# Altium PCB IRVT-001.PcbDoc (part 3 of 4) (continued)
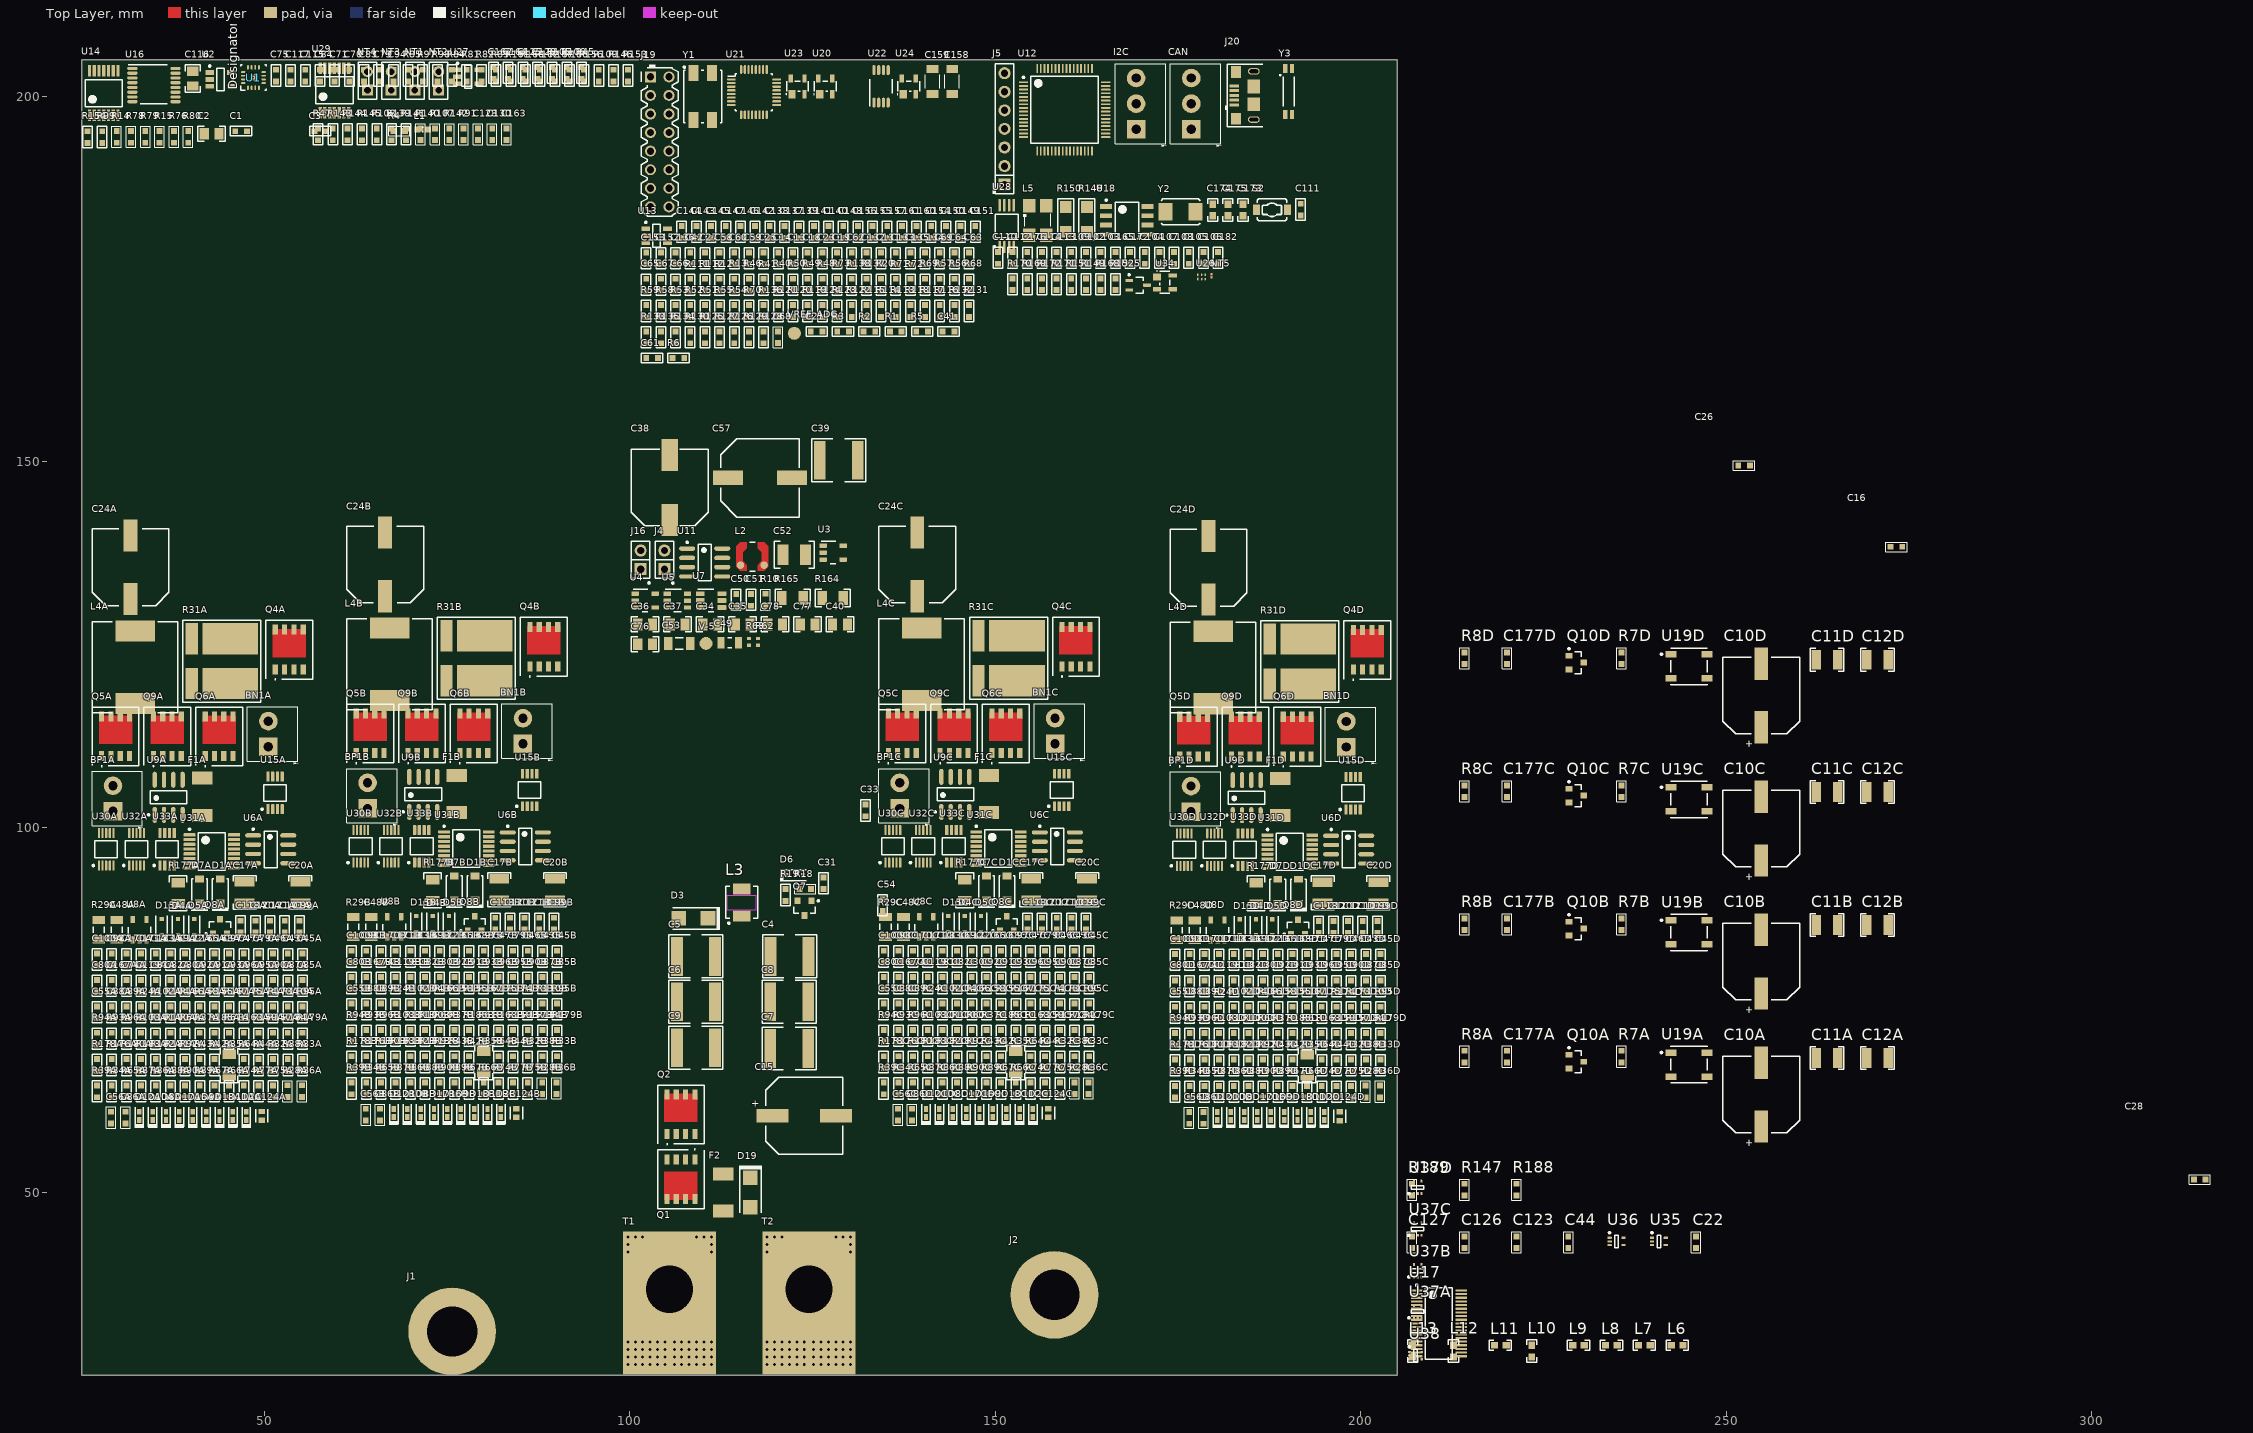
[diagram p0: Top Layer view]
## Part data (continued)
CAN I2C: "Terminal Block, 6A, 3.5mm Pitch, 3-Pos, TH", Manufacturer="On-Shore Technology", ComponentLink1Description="Datasheet Link", ComponentLink1URL=http://on-shore.com/sites/default/files/manuals/ed555ds.pdf, CompType=Connector, LatestRevisionDate=2014-09-28, MountType=TH, PackageReference=14x8.2x6.5mm, PartNumber=ED555/3DS, Publisher="Texas Instruments", RoHS=Y, SymbolCreator=a0412235, SymbolVersion=2013-08-30, U/M=EA
D1A D1B D1C D1D D7A D7B D7C D7D: "Diode, Schottky, 40 V, 1 A, SOD-123FL", Manufacturer="ON Semiconductor", Supplier Part Number 1=MBR140SFT1GOSCT-ND, Value1=1A, Value2=0.55V, AEC Category=Q101, AEC Qualified=?, ComponentLink1Description="Datasheet link", ComponentLink1URL=http://www.onsemi.com/pub_link/Collateral/MBR140SFT1-D.PDF, CompType=Diode, Io_A=1, LatestRevisionDate=2016-12-16, MountType=SMT, PackageReference=SOD-123FL, PartNumber=MBR140SFT1G, Published=2008-06-26, Publisher="Texas Instruments", RJC_CperW=26, RoHS=Y, SizeArea_mm2=5.94, SizeAreaWB_mm2=12.19, SizeX_mm=3.6, SizeY_mm=1.65, SizeZ_mm=0.98, Supplier 1=Digi-Key, Supplier 2=Mouser, Supplier 3=Farnell, Supplier Part Number 2=863-MBR140SFT1G, Supplier Part Number 3=1431046, SymbolVersion=2008-12-08, TJmax_C=125, Type=Schottky, U/M=EA, Vf_V=0.55, Vr_V=40
D2A D2B D2C D2D D8A D8B D8C D8D D9A D9B D9C D9D D10A D10B D10C D10D D11A D11B D11C D11D D12A D12B D12C D12D D16A D16B D16C D16D D17A D17B D17C D17D D18A D18B D18C D18D D21 D23 D24: "Diode, Schottky, 40V, 0.25A, SOD-523", Manufacturer="ON Semiconductor", Supplier Part Number 1=NSR0240V2T1GOSCT-ND, Value1=0.25A, Value2=0.7V, ComponentLink1Description="Datasheet link", ComponentLink1URL=http://www.onsemi.com/pub_link/Collateral/NSR0240V2T1-D.PDF, CompType=Diode, Io_A=0.25, LatestRevisionDate=2014-07-21, MountType=SMT, PackageReference=SOD-523, PartNumber=NSR0240V2T1G, Published=2008-06-26, Publisher="Texas Instruments", RJC_CperW=600, RoHS=Y, Supplier 1=Digi-Key, Supplier 2=Mouser, Supplier 3=Newark, Supplier Part Number 2=863-NSR0240V2T1G, Supplier Part Number 3=46P8323, SymbolVersion=2008-12-08, TJmax_C=150, Type=Schottky, U/M=EA, Vf_V=0.7, Vr_V=40
D3 D19: "Diode, TVS, Uni, 18 V, 29.2 Vc, SMA", Manufacturer=Littelfuse, Power_W=3.3, Supplier Part Number 1=SMAJ18ALFCT-ND, Value1=3.3W, AEC Category=Q101, AEC Qualified=N, ComponentLink1Description="Datasheet link", ComponentLink1URL=http://www.littelfuse.com/~/media/electronics/datasheets/tvs_diodes/littelfuse_tvs_diode_smaj_datasheet.pdf.pdf, CompType=TVS, LatestRevisionDate=2016-12-21, LatestRevisionNote="Updated Supplier Data", MountType=SMT, PackageReference=SMA, PartNumber=SMAJ18A, Published=2008-10-08, Publisher="Texas Instruments", RJA_CperW=120, RoHS=Y, SizeArea_mm2=16.3228, SizeAreaWB_mm2=37.3428, SizeX_mm=5.59, SizeY_mm=2.92, SizeZ_mm=2.87, Supplier 1=Digi-Key, Supplier 2=Mouser, Supplier 3=Farnell, Supplier Part Number 2=576-SMAJ18A, Supplier Part Number 3=1787557, SymbolVersion=2012-01-13, U/M=EA, Vr_V=18, Vz_V=N/A
D4A D4B D4C D4D D5A D5B D5C D5D D20 D22: "Diode, Zener, 15 V, 200 mW, SOD-323", Manufacturer="Diodes Inc.", Power_W=0.2, Supplier Part Number 1=MMSZ5245BS-FDICT-ND, Value1=0.2W, AEC Category=Q101, AEC Qualified=?, ComponentLink1Description="Datasheet link", ComponentLink1URL=http://www.diodes.com/datasheets/ds31038.pdf, CompType=Zener, LatestRevisionDate=2017-03-18, LatestRevisionNote="Updated Supplier Data", MountType=SMT, PackageReference=SOD-323, PartNumber=MMSZ5245BS-7-F, Published=2008-10-08, Publisher="Texas Instruments", RJA_CperW=350, RoHS=Y, SizeArea_mm2=3.645, SizeAreaWB_mm2=8.695, SizeX_mm=2.7, SizeY_mm=1.35, SizeZ_mm=1, Supplier 1=Digi-Key, Supplier 2=Mouser, Supplier Part Number 2=621-MMSZ5245BS-F, SymbolCreator=a0412235, SymbolVersion=2010-08-25, U/M=EA, Vr_V=N/A, Vz_V=15
D6: "Diode, Zener, 13V, 200mW, SOD-323", Manufacturer="Diodes Inc.", Power_W=0.2, Value1=0.2W, ComponentLink1Description="Datasheet link", ComponentLink1URL=http://www.diodes.com/datasheets/ds31038.pdf, CompType=Zener, LatestRevisionDate=2013-07-05, LatestRevisionNote="Updated Supplier Data", MountType=SMT, PackageReference=SOD-323, PartNumber=MMSZ5243BS-7-F, Published=2008-10-08, Publisher="Texas Instruments", RJA_CperW=350, RoHS=Y, SymbolVersion=2010-08-25, U/M=EA, Vr_V=N/A, Vz_V=13
D15A D15B D15C D15D: library part MMSZ5233BS-7-F, "Diode, Zener, 6 V, 200 mW, SOD-323", Manufacturer="Diodes Inc.", Power_W=0.2, Supplier Part Number 1=MMSZ5233BS-FDICT-ND, Value1=0.2W, AEC Category=Q101, AEC Qualified=?, ComponentLink1Description="Datasheet link", ComponentLink1URL=http://www.diodes.com/datasheets/ds31038.pdf, CompType=Zener, LatestRevisionDate=2017-03-18, LatestRevisionNote="Updated Supplier Data", MountType=SMT, PackageReference=SOD-323, PartNumber=MMSZ5233BS-7-F, Published=2008-10-08, Publisher="Texas Instruments", RJA_CperW=350, RoHS=Y, SizeArea_mm2=3.645, SizeAreaWB_mm2=8.695, SizeX_mm=2.7, SizeY_mm=1.35, SizeZ_mm=1, Supplier 1=Digi-Key, Supplier 2=Mouser, Supplier Part Number 2=621-MMSZ5233BS-7-F, SymbolCreator=a0412235, SymbolVersion=2010-08-25, U/M=EA, Vr_V=N/A, Vz_V=6
F1A F1B F1C F1D F2: library part FUSE_CCF1N_SERIES, "Fuse, Fast Acting, 50VDC, 20A", Manufacturer=Koanet, Area=46035, ComponentHeight="0.098 inch", ComponentLink1Description="AEO Datasheet Link", ComponentLink1URL=\\vette02\pmp_pcb\pcad_pdf's\ccf_fuse.pdf, PackageReference="0.98 x 0.236 inch", SymbolVersion="07/31/2009 12:17:29"
  F1A F1B F1C F1D: PartNumber=CCF1N15
  F2: PartNumber=CCF1N5
J1 J2: "Standard Banana Jack, Uninsulated, 15A", Manufacturer="Emerson Network Power", Supplier Part Number 1=J147-ND, ComponentLink1Description="Datasheet Link", ComponentLink1URL=http://emersonnetworkpower.com/webapp/wcs/stores/servlet/ESC/resources/1080740001.pdf, CompType=Connector, LatestRevisionDate=2014-11-22, MountType=TH, PackageReference="Banana Jack", PartNumber=108-0740-001, Publisher="Texas Instruments", RoHS=Y, Supplier 1=Digi-Key, Supplier 2=Mouser, Supplier Part Number 2=530-108-0740-1, SymbolCreator=a0412235, SymbolVersion=2009-09-23, U/M=EA
J4 J16: "Header, 100mil, 2x1, Gold, TH", Manufacturer=Samtec, Supplier Part Number 1=SAM8736-ND, ClassName=Header, ComponentLink1Description="Datasheet Link", ComponentLink1URL=http://www.samtec.com/ftppub/pdf/TSW_TH.PDF, CompType=Header, MountType=TH, PackageReference="Header, 100mil, 2x1, TH", PartNumber=HTSW-102-07-G-S, Publisher="Texas Instruments", RoHS=Y, Supplier 1=Digi-Key, SymbolCreator=a0412235, SymbolVersion=2013-10-31, U/M=EA
  J4: LatestRevisionDate=2014-12-19
  J16: LatestRevisionDate=2015-09-29
J5: "Header, 100mil, 7x1, Gold, TH", Manufacturer=Samtec, Supplier Part Number 1=SAM1029-07-ND, ClassName=Header, ComponentLink1Description="Datasheet Link", ComponentLink1URL=http://samtec.com/ftppub/pdf/TSW_TH.PDF, CompType=Header, LatestRevisionDate=2015-10-21, MountType=TH, PackageReference="7x1 Header", PartNumber=TSW-107-07-G-S, Publisher="Texas Instruments", RoHS=Y, Supplier 1=Digi-Key, SymbolCreator=a0411947, SymbolVersion=2013-12-22, U/M=EA
J19: library part CMP-0054590-1, "Header, 2.54mm, 8x2, Gold, TH", Color=Black, Manufacturer="Sullins Connector Solutions", Supplier Part Number 1=S2011EC-08-ND, ClassName=Header, CNHeader=TRUE, ComponentLink1Description="Datasheet URL", ComponentLink1URL=http://sullinscorp.com/drawings/294___R__C_____D___N-RC,_11636.pdf, CompType=Header, ContactFinish=Gold, CT=FALSE, Gender=Male, LatestRevisionDate=26/05/2017, MountType=TH, Orientation=Vertical, PackageReference="Header, 2.54mm, 8x2, TH", PartNumber=PRPC008DAAN-RC, PinCount=16, Pitch_mm=2.54, Publisher="Texas Instruments", RoHS=Y, Row_Count=2, RowSpacing_mm=2.54, Shrouded=N, Supplier 1=Digi-Key
J20: library part CMP-0065029-1, "Connector, Receptacle, USB Micro B, R/A, SMT", Color=Black, Manufacturer=FCI, Supplier Part Number 1=609-4616-1-ND, CNHeader=False, ComponentLink1Description="Datasheet URL", ComponentLink1URL=https://sps06.itg.ti.com/sites/KMS/crossdivteams/altium/docs/ComponentDatasheets/10118193-0001LF.pdf, CompType=USB, ContactFinish=Gold, CT=True, Gender=Female, LatestRevisionDate=2017-06-05, MountType=SMT, Orientation=R/A, PackageReference="Connector, Receptacle, USB Micro B, R/A, SMT", PartNumber=10118193-0001LF, PinCount=5, Pitch_mm=0.65, Publisher="Texas Instruments", Row_Count=1, Supplier 1=Digi-Key, Supplier 2=Newark, Supplier 3=Mouser, Supplier Part Number 2=67T2259, Supplier Part Number 3=649-10118193-0001LF
L1: "Ferrite Bead, 600 ohm @ 100 MHz, 1 A, 0603", Manufacturer="Wurth Elektronik", PartNumber=742792651, Supplier Part Number 1=732-1593-1-ND, Value1="0.2 ohm", Value2=1A, ValueDisplayed="600 ohm", ComponentLink1Description="Datasheet link", ComponentLink1URL=http://katalog.we-online.de/pbs/datasheet/742792651.pdf, CompType="Ferrite Bead", DCR_ohm=2d, Imax_A=1A, LatestRevisionDate=2017-03-09, MountType=SMT, PackageReference=0603, Published=2014-04-30, Publisher="Texas Instruments", RoHS=Y, SizeArea_mm2=1.28, SizeAreaWB_mm2=4.68, SizeX_mm=1.6, SizeY_mm=0.8, SizeZ_mm=1, Supplier 1=Digi-Key, Supplier 2=Newark, Supplier 3=Mouser, Supplier Part Number 2=08P2439, Supplier Part Number 3=710-742792651, Ztyp@1GHz_Ohm=257.548, ZTyp@100MHz_Ohm=600
L2: library part CMP-11268-000004-1, "Power inductor, shielded, 20/30% tol, SMT, RoHS, lead-free, halogen-free", Ambient Temperature Range High=+85°C, Ambient Temperature Range Low=-40°C, DC Resistance (DCR)=260mR, Inductance=22uH, Inductance Tolerance=20%, Manufacturer=Coilcraft, Manufacturer Part Number=LPS4018-223MRB, Max DC Current=940mA, Max Operating Temperature=85°C, Package=LPS4018, Package Quantity=1, Rms Current=0.9A, RMS Current (Irms)=800mA, Saturation Current=0.8A, Self Resonant Frequency=26MHz, Series Resistance=0.36Ω, Supplier Part Number 1=994-LPS4018-153MRB, Test Frequency=1MHz, Automotive=Yes, Automotive Grade="Grade 3", Category=Ind, ComponentLink1Description=https://datasheet.ciiva.com/46449/1805324-46449067.pdf?src-supplier=Element14, ComponentLink1URL=https://datasheet.ciiva.com/46449/1805324-46449067.pdf?src-supplier=Element14, ComponentLink2Description=Datasheet, ComponentLink2URL=https://www.coilcraft.com/pdfs/lps4018.pdf, ComponentLink3Description=https://datasheet.ciiva.com/46384/1805324-46384172.pdf?src-supplier=Element14, ComponentLink3URL=https://datasheet.ciiva.com/46384/1805324-46384172.pdf?src-supplier=Element14, Core Material=Ferrite, Device Class L1="Passive Components", Device Class L2=Inductors, Device Class L3="Fixed Inductors", Height=1.8mm, Lead Free=Yes, Length=4mm, Min Operating Temperature=-40°C, Mouser Description="Power inductor, shielded, 20/30% tol, SMT, RoHS, lead-free, halogen-free", Octopart=https://octopart.com/lps4018-223mrb-coilcraft-30061092, Packaging="Cut Tape", Pricing 1="1=1.08000, 10=0.90400, 50=0.89000, 100=0.89000, 200=0.89000, 500=0.61200 (USD)", REACH SVHC="No SVHC", RoHS=TRUE, Shielding=true, Stock 1=5661, Supplier 1=Mouser, Termination=SMD/SMT, Tolerance=20%, Weight=0.003527oz, Width=4mm
L3: library part CMP-1353-00034-1, "SMD Power Inductor WE-LHMI, L=0.22 µH", Inductance="0.22 ÂµH", Manufacturer="Wuerth Elektronik", ComponentLink1Description="Manufacturer URL", ComponentLink1URL=http://www.we-online.com, ComponentLink2Description=Datasheet, ComponentLink2URL=http://katalog.we-online.de/kataloge/eisos/media/pdf/744373240022.pdf, PackageReference="WE-LHMI 4020", PartNumber=744373240022
L4A L4B L4C L4D: library part CMP-0226-00120-1, "SMD High Current Cube Inductor WE-HCC, L=3.30 µH", Inductance="3.30 ÂµH", ComponentLink1Description="Manufacturer Link", ComponentLink1URL=http://www.we-online.com, ComponentLink2Description=Datasheet, ComponentLink2URL=http://www.we-online.de/katalog/media/pdf/7443320330.pdf, DatasheetVersion="ver 2, Nov-2009", PackageDescription="Inductor, 2-Leads, Body 12.1 x 11.4 mm", PackageReference=WE-HCC-1210, PackageVersion=2009
L5: "Coupled inductor, 100 µH, 0.15 A, 1.5 ohm, SMD", Manufacturer=TDK, Supplier Part Number 1=871-B82789C0104H001, ValueDisplayed=100µH, ComponentLink1Description="Datasheet URL", ComponentLink1URL=http://www.epcos.com/inf/30/db/ind_2008/b82789c0_s0.pdf, CompType="Coupled Inductor", DCR_ohm=1.5, Ind_H=100.0E-6, LatestRevisionDate=2017-02-16, MountType=SMT, PackageReference=4.5x3.0x3.2mm, PartNumber=B82789C0104H001, Published=2008-05-16, Publisher="Texas Instruments", RoHS=Y, Supplier 1=Mouser, SymbolCreator=a0412235, SymbolVersion=2013-02-26
L6 L7 L8 L9 L10 L11 L12 L13: library part PAS-IND-INDUCTOR-2, "SMD EMI Suppression Ferrite Bead WE-CBF, Z = 1000 Ohm", ComponentLink1Description="Manufacturer Link", ComponentLink1URL=http://www.we-online.com, ComponentLink2Description=Datasheet, ComponentLink2URL=http://www.we-online.de/katalog/media/pdf/742792664.pdf, DatasheetVersion="ver 2, Jul-2006", Impedance="1000 Ohm", PackageDescription="Chip Inductor, 2-Leads, Body 1.6 x 0.8 mm", PackageReference=SMD-0603, PackageVersion=2009
NT1 NT2 NT3 NT4: "Header, 2-Pin", LatestRevisionDate=17-Jul-2002, LatestRevisionNote="Re-released for DXP Platform.", Publisher="Altium Limited"
NT5: "Single point connection between nets.", LatestRevisionDate=2014-10-27, LatestRevisionNote="Added Alternate PartNumber and Alternate Manufacturer parameters to appropriate components.", MountType=SMT, PackageReference=N/A, Publisher="Texas Instruments", SymbolCreator=codlsc, SymbolVersion=2009-07-01
Q1 Q2 Q4A Q4B Q4C Q4D Q5A Q5B Q5C Q5D: "25V, N ch NexFET MOSFET™, single SON5x6, 0.82mOhm", Continuous Drain Current (ID)=100A, Drain to Source Breakdown Voltage=25V, Gate to Source Voltage (Vgs)=20V, Input Capacitance=14nF, Manufacturer="Texas Instruments", Manufacturer Part Number=CSD16570Q5BT, Max Operating Temperature=150°C, Max Power Dissipation=195W, Min Operating Temperature=-55°C, Package Quantity=250, Supplier Part Number 1=296-38335-1-ND, Threshold Voltage=1.5V, Category=MOSFETs, ComponentLink1Description="Datasheet link", ComponentLink1URL=http://www.ti.com/lit/ds/symlink/csd17308q3.pdf, ComponentLink2Description=http://www.farnell.com/datasheets/1874868.pdf?src-supplier=Farnell, ComponentLink2URL=http://www.farnell.com/datasheets/1874868.pdf?src-supplier=Farnell, ComponentLink3Description=http://www.farnell.com/datasheets/2026550.pdf?src-supplier=Element14, ComponentLink3URL=http://www.farnell.com/datasheets/2026550.pdf?src-supplier=Element14, ComponentLink4Description=http://www.ti.com/lit/ds/symlink/csd16570q5b.pdf?src-supplier=Digi-Key, ComponentLink4URL=http://www.ti.com/lit/ds/symlink/csd16570q5b.pdf?src-supplier=Digi-Key, ComponentLink5Description=http://www.ti.com/general/docs/lit/getliterature.tsp?genericPartNumber=CSD16570Q5B&fileType=pdf&src-supplier=Farnell, ComponentLink5URL=http://www.ti.com/general/docs/lit/getliterature.tsp?genericPartNumber=CSD16570Q5B&fileType=pdf&src-supplier=Farnell, ComponentLink6Description=http://www.ti.com/general/docs/lit/getliterature.tsp?genericPartNumber=CSD16570Q5B&&fileType=pdf&src-supplier=Avnet, ComponentLink6URL=http://www.ti.com/general/docs/lit/getliterature.tsp?genericPartNumber=CSD16570Q5B&&fileType=pdf&src-supplier=Avnet, ComponentLink7Description=http://www.farnell.com/datasheets/1874868.pdf?src-supplier=Element14, ComponentLink7URL=http://www.farnell.com/datasheets/1874868.pdf?src-supplier=Element14, ComponentLink8Description=http://www.ti.com/lit/gpn/csd16570q5b?src-supplier=Mouser, ComponentLink8URL=http://www.ti.com/lit/gpn/csd16570q5b?src-supplier=Mouser, CompType=MOSFET, Contact Plating=Gold, Drain to Source Voltage (Vdss)=25V, Element Configuration=Single, Fall Time=72ns, Lead Free="Contains Lead", Mount="Surface Mount", Number of Channels=1, Number of Pins=8, PackageReference=DNK0008A, Packaging="Tape and Reel", PartNumber=CSD16570Q5B, Pricing 1="1=2.43000, 10=2.18600, 25=2.06240, 100=1.60880 (USD)", Rds On Max=0.59mR, REACH SVHC="No SVHC", Rise Time=43ns, RoHS=Yes, Stock 1=3774, Supplier 1=Digi-Key, SymbolVersion=2008-07-09, Turn-Off Delay Time=156ns, Turn-On Delay Time=5ns, Weight=0.000847oz
Q3 Q8A Q8B Q8C Q8D: library part CMP-1048-00538-1, "General Purpose Transistor, NPN Silicon, 3-Pin SOT-23, Pb-Free, Tape and Reel", Manufacturer="On Semiconductor", ComponentLink1Description="Manufacturer URL", ComponentLink1URL=http://www.onsemi.com/, ComponentLink2Description=Datasheet, ComponentLink2URL=http://www.onsemi.cn/pub_link/Collateral/MMBT2222LT1-D.PDF, ComponentLink3Description="Package Specification", ComponentLink3URL=http://www.onsemi.cn/pub_link/Collateral/318-08.PDF, DatasheetVersion="Rev. 10", fT Min (MHz)=300, IC Continuous (A)=0.6, Mounting Technology="Surface Mount", PackageDescription="3-Pin Small Outline Transistor, Body 2.92 x 1.3 mm, Pitch 0.95 mm", PackageReference=SOT-23-3-318-08, PackageVersion="Rev. AP, 11/2009", Packing="Tape and Reel", PartNumber=MMBT2222ALT1G, Polarity=NPN, RoHS=TRUE
Q6A Q6B Q6C Q6D Q9A Q9B Q9C Q9D: "40V, N ch NexFET MOSFET™, single SON5x6, 2.3mOhm", Continuous Drain Current (ID)=100A, Drain to Source Breakdown Voltage=40V, Drain to Source Resistance=2.5mR, Gate to Source Voltage (Vgs)=20V, Input Capacitance=5.07nF, Manufacturer="Texas Instruments", Max Operating Temperature=150°C, Max Power Dissipation=3.2W, Min Operating Temperature=-55°C, Package Quantity=1, Supplier Part Number 1=296-35629-1-ND, Threshold Voltage=1.8V, Category="Integrated Circuits (ICs)", ComponentLink1Description="Datasheet link", ComponentLink1URL=http://www.ti.com/lit/ds/symlink/csd17308q3.pdf, ComponentLink2Description=https://datasheet.ciiva.com/14192/csd18502q5b-14192916.pdf?src-supplier=Avnet, ComponentLink2URL=https://datasheet.ciiva.com/14192/csd18502q5b-14192916.pdf?src-supplier=Avnet, ComponentLink3Description=https://datasheet.ciiva.com/14423/csd18502q5b-14423447.pdf?src-supplier=Avnet, ComponentLink3URL=https://datasheet.ciiva.com/14423/csd18502q5b-14423447.pdf?src-supplier=Avnet, ComponentLink4Description=https://datasheet.ciiva.com/6386/csd18502q5b-6386070.pdf?src-supplier=Digi-Key, ComponentLink4URL=https://datasheet.ciiva.com/6386/csd18502q5b-6386070.pdf?src-supplier=Digi-Key, ComponentLink5Description=https://datasheet.ciiva.com/6386/csd18502q5b-6386071.pdf?src-supplier=Digi-Key, ComponentLink5URL=https://datasheet.ciiva.com/6386/csd18502q5b-6386071.pdf?src-supplier=Digi-Key, ComponentLink6Description=https://datasheet.ciiva.com/6386/csd18502q5b-6386072.pdf?src-supplier=Digi-Key, ComponentLink6URL=https://datasheet.ciiva.com/6386/csd18502q5b-6386072.pdf?src-supplier=Digi-Key, CompType=MOSFET, Contact Plating=Tin,Matte, Drain to Source Voltage (Vdss)=40V, Element Configuration=Single, Fall Time=4ns, Height=1.05mm, Lead Free="Contains Lead", Length=6.1mm, Manufacturer Part Number=CSD18502Q5B, Mount="Surface Mount", Number of Elements=1, Number of Pins=8, PackageReference=DNK0008A, Packaging="Tape and Reel", PartNumber=CSD18502Q5B, Power Dissipation=3.2W, Pricing 1="1=2.37000, 10=2.13300, 25=2.01240, 100=1.56980, 500=1.32826, 1000=1.12700 (USD)", Radiation Hardening=No, Rds On Max=2.3mR, REACH SVHC="No SVHC", Rise Time=6.8ns, RoHS=Yes, Stock 1=29285, Supplier 1=Digi-Key, SymbolVersion=2008-07-09, Turn-Off Delay Time=23ns, Turn-On Delay Time=5.3ns, Width=5.1mm
Q7 Q10A Q10B Q10C Q10D: library part CMP-2000-04929-1, "N-Channel Enhancement Mode Field Effect Transistor, 60 V, 0.115 A, -55 to 150 degC, 3-Pin SOT23, RoHS, Tape and Reel", Id - Continuous Drain Current=115mA, Manufacturer=DiodesIncorporated, Maximum Operating Temperature=+150C, Minimum Operating Temperature=-55C, Package / Case=SOT-23-3, Package Description="3-Pin Small Outline Transistor, Body 2.9 x 1.3 mm, Pitch 0.96 mm", Package Reference=SOT23-3, Pd - Power Dissipation=300mW, Rds On - Drain-Source Resistance=7.5Ohms, Vds - Drain-Source Breakdown Voltage=70V, Vgs - Gate-Source Voltage=20V, Brand=DiodesIncorporated, Channel Mode=Enhancement, Configuration=Single, Datasheet URL=http://datasheet.octopart.com/2N7002-7-F-Diodes-Inc.-datasheet-8326113.pdf, Datasheet Version="Rev. 21-2, 02/2009", Factory Pack Quantity=3000, Fall Time=5.6ns, Forward Transconductance - Min=0.08S, Height=1mm, Length=2.9mm, Manufacturer URL=http://www.diodes.com/, Mounting Style=SMD/SMT, Number of Channels=1Channel, Packaging=Reel, Product=MOSFETSmallSignal, Product Category=MOSFET, Rise Time=3ns, RoHS=True, Series=2N7002, Technology=Si, Transistor Polarity=N-Channel, Transistor Type=1N-Channel, Type=EnhancementModeFieldEffectTransistor, Typical Turn-Off Delay Time=11ns, Typical Turn-On Delay Time=7ns, Unit Weight=0.000282oz, Width=1.3mm
R1 R2 R5 R6 R118 R119 R125 R127 R157A R157B R157C R157D R159A R159B R159C R159D: library part CMP-0021991-4, "RES, 100, 1%, 0.1 W, AEC-Q200 Grade 0, 0603", Manufacturer=Vishay-Dale, PartNumber=CRCW0603100RFKEA, Power_W=100mW, Supplier Part Number 1=541-100HCT-ND, TempCo="100 ppm/C", Tolerance_%=1%, Value2=0.1W, Value_Code=100R, ValueDisplayed=100, AEC Category=Q200, AEC Grade=0, AEC Qualified=Y, ComponentLink1Description="Datasheet link", ComponentLink1URL=http://www.vishay.com/docs/20035/dcrcwe3.pdf, CompType=Resistor, EIA_Code=E96, MountType=SMT, PackageReference=0603, Res_ohm=100, RoHS=E, SizeArea_mm2=1.28, SizeX_mm=1.6, SizeY_mm=0.8, SizeZ_mm=1, Supplier 1=Digi-Key, Supplier 2=Newark, Supplier 3=Mouser, Supplier Part Number 2=52K8078, Supplier Part Number 3=71-CRCW0603-100-E3, Technology="Thick Film", Value1=1%, VDC_V=75V
R3 R28A R28B R28C R28D R37A R37B R37C R37D R133 R147 R163A R163B R163C R163D R188 R189: "RES, 0, 5%, 0.1 W, 0603", Manufacturer=Panasonic, PartNumber=ERJ-3GEY0R00V, Power_W=100mW, Supplier Part Number 1=P0.0GCT-ND, TempCo="600 ppm/C", Tolerance_%=5%, Value2=0.1W, Value_Code=0000, ValueDisplayed=0, AEC Category=Q200, AEC Qualified=?, ComponentLink1Description="Datasheet link", ComponentLink1URL=http://www.panasonic.com/industrial/components/pdf/AOA0000CE1.pdf, CompType=Resistor, EIA_Code=E24, LatestRevisionDate=2017-03-09, MountType=SMT, PackageReference=0603, Published=2008-06-26, Publisher="Texas Instruments", Res_ohm=0, RoHS=Y, SizeArea_mm2=1.28, SizeX_mm=1.6, SizeY_mm=0.8, SizeZ_mm=1, Supplier 1=Digi-Key, Supplier 2=Mouser, Supplier 3=Farnell, Supplier Part Number 2=667-ERJ-3GEY0R00V, Supplier Part Number 3=2059527, Technology="Thick Film", U/M=EA, Value1=5%, VDC_V=50V
R4: library part CMP-0022717-2, "RES, 0.51, 1%, 0.1 W, AEC-Q200 Grade 1, 0603", Manufacturer=Panasonic, PartNumber=ERJ-3RQFR51V, Power_W=100mW, Supplier Part Number 1=P.51AJCT-ND, TempCo="300 ppm/C", Tolerance_%=1%, Value2=0.1W, Value_Code=R510, ValueDisplayed=0.51, AEC Category=Q200, AEC Grade=1, AEC Qualified=Y, ComponentLink1Description="Datasheet link", ComponentLink1URL=http://industrial.panasonic.com/www-data/pdf/AOA0000/AOA0000CE3.pdf, CompType=Resistor, EIA_Code=E96, LatestRevisionDate=2017-03-09, MountType=SMT, PackageReference=0603, Published=2008-06-26, Publisher="Texas Instruments", Res_ohm=5.1d, RoHS=Y, SizeArea_mm2=1.28, SizeX_mm=1.6, SizeY_mm=0.8, SizeZ_mm=1, Supplier 1=Digi-Key, Supplier 2=Newark, Supplier 3=Mouser, Supplier Part Number 2=51W9702, Supplier Part Number 3=667-ERJ-3RQFR51V, Technology="Thick Film", U/M=EA, Value1=1%
R7A R7B R7C R7D R16 R19 R21 R22 R27 R30 R34A R34B R34C R34D R39A R39B R39C R39D R42A R42B R42C R42D R44A R44B R44C R44D R47 R64A R64B R64C R64D R65A R65B R65C R65D R66A R66B R66C R66D R67A R67B R67C R67D R74A R74B R74C R74D R75A R75B R75C R75D R77A R77B R77C R77D R81 R82 R83 R84 R85 R86A R86B R86C R86D R89A R89B R89C R89D R90A R90B R90C R90D R93A R93B R93C R93D R94A R94B R94C R94D R97 R98 R99 R100A R100B R100C R100D R103A R103B R103C R103D R105 R109 R146 R153 R154 R156 R160 R161 R162 R166A R166B R166C R166D R167A R167B R167C R167D R175A R175B R175C R175D R178A R178B R178C R178D R185A R185B R185C R185D: "RES, 10.0 k, 1%, 0.1 W, 0603", Manufacturer="Yageo America", Power_W=0.1, Supplier Part Number 1=311-10.0KHRCT-ND, TempCo="200 ppm/C", Tolerance_%=1, Value1=1%, Value2=0.1W, Value_Code=10k0, ValueDisplayed=10.0k, AEC Category=Q200, AEC Qualified=?, ComponentLink1Description="Datasheet link", ComponentLink1URL=http://www.yageo.com/pdf/Pu-RC0603_51_PbFree_L_2.pdf, CompType=Resistor, EIA_Code=E96, MountType=SMT, PackageReference=0603, PartNumber=RC0603FR-0710KL, Published=2008-06-26, Publisher="Texas Instruments", Res_ohm=10000, RoHS=Y, SizeArea_mm2=1.28, SizeX_mm=1.6, SizeY_mm=0.8, SizeZ_mm=1, Supplier 1=Digi-Key, Supplier 2=Mouser, Supplier 3=Farnell, Supplier Part Number 2=603-RC0603FR-0710KL, Supplier Part Number 3=9238603, SymbolVersion=2009-05-29, Technology="Thick Film", U/M=EA, VDC_V=150
  R7A R7B R7C R7D R67A R67B R67C R67D R74A R74B R74C R74D R75A R75B R75C R75D R77A R77B R77C R77D R86A R86B R86C R86D R89A R89B R89C R89D R90A R90B R90C R90D R93A R93B R93C R93D R94A R94B R94C R94D R100A R100B R100C R100D R103A R103B R103C R103D R166A R166B R166C R166D R167A R167B R167C R167D R175A R175B R175C R175D R178A R178B R178C R178D R185A R185B R185C R185D: LatestRevisionDate=2016-09-18
  R16 R19 R21 R22 R27 R30 R34A R34B R34C R34D R39A R39B R39C R39D R42A R42B R42C R42D R44A R44B R44C R44D R47 R64A R64B R64C R64D R65A R65B R65C R65D R66A R66B R66C R66D R81 R82 R83 R84 R85 R97 R98 R99 R105 R109 R146 R153 R154 R156 R160 R161 R162: LatestRevisionDate=2017-03-04
R8A R8B R8C R8D R14 R15 R50 R70 R71 R76 R78 R116 R121 R122 R123: library part CMP-0021990-4, "RES, 100 k, 1%, 0.1 W, AEC-Q200 Grade 0, 0603", Manufacturer=Vishay-Dale, PartNumber=CRCW0603100KFKEA, Power_W=100mW, Supplier Part Number 1=541-100KHCT-ND, TempCo="100 ppm/C", Tolerance_%=1%, Value2=0.1W, Value_Code=100k, AEC Category=Q200, AEC Grade=0, AEC Qualified=Y, ComponentLink1Description="Datasheet link", ComponentLink1URL=http://www.vishay.com/docs/20035/dcrcwe3.pdf, CompType=Resistor, EIA_Code=E96, MountType=SMT, PackageReference=0603, Res_ohm=100k, RoHS=E, SizeArea_mm2=1.28, SizeX_mm=1.6, SizeY_mm=0.8, SizeZ_mm=1, Supplier 1=Digi-Key, Supplier 2=Newark, Supplier 3=Mouser, Supplier Part Number 2=42K3668, Supplier Part Number 3=71-CRCW0603-100K-E3, Technology="Thick Film", Value1=1%, ValueDisplayed=100k, VDC_V=75V
R10: library part CMP-0022680-4, "RES, 1.00 k, 1%, 0.1 W, 0603", Manufacturer=Panasonic, Power_W=100mW, Supplier Part Number 1=P1.00KHCT-ND, TempCo="100 ppm/C", Tolerance_%=1%, Value2=0.1W, Value_Code=1k00, ValueDisplayed=1.00k, AEC Category=Q200, AEC Qualified=?, ComponentLink1Description="Datasheet link", ComponentLink1URL=http://industrial.panasonic.com/www-data/pdf/AOA0000/AOA0000CE2.pdf, CompType=Resistor, EIA_Code=E96, LatestRevisionDate=2017-03-09, MountType=SMT, PackageReference=0603, PartNumber=ERJ-3EKF1001V, Published=2008-06-26, Publisher="Texas Instruments", Res_ohm=1k, RoHS=Y, SizeArea_mm2=1.28, SizeX_mm=1.6, SizeY_mm=0.8, SizeZ_mm=1, Supplier 1=Digi-Key, Supplier 2=Newark, Supplier 3=Mouser, Supplier Part Number 2=90W3099, Supplier Part Number 3=667-ERJ-3EKF1001V, Technology="Thick Film", U/M=EA, Value1=1%, VDC_V=75V
R12 R41 R48 R52 R53 R111 R112 R114 R117 R124: library part CMP-0022883-3, "RES, 1.50 k, 1%, 0.1 W, 0603", Manufacturer="Yageo America", Power_W=100mW, Supplier Part Number 1=311-1.50KHRCT-ND, TempCo="200 ppm/C", Tolerance_%=1%, Value2=0.1W, Value_Code=1k50, ValueDisplayed=1.50k, AEC Category=Q200, AEC Qualified=?, ComponentLink1Description="Datasheet link", ComponentLink1URL=http://www.yageo.com/pdf/Pu-RC0603_51_PbFree_L_2.pdf, CompType=Resistor, EIA_Code=E96, LatestRevisionDate=2017-03-09, MountType=SMT, PackageReference=0603, PartNumber=RC0603FR-071K5L, Published=2008-06-26, Publisher="Texas Instruments", Res_ohm=1.5k, RoHS=Y, SizeArea_mm2=1.28, SizeX_mm=1.6, SizeY_mm=0.8, SizeZ_mm=1, Supplier 1=Digi-Key, Supplier 2=Mouser, Supplier 3=Farnell, Supplier Part Number 2=603-RC0603FR-071K5L, Supplier Part Number 3=9238506, Technology="Thick Film", U/M=EA, Value1=1%, VDC_V=150V
R13 R46 R51 R69: library part CMP-0021991-4, "RES, 100, 1%, 0.1 W, AEC-Q200 Grade 0, 0603", Manufacturer=Vishay-Dale, PartNumber=CRCW0603100RFKEA, Power_W=100mW, Supplier Part Number 1=541-100HCT-ND, TempCo="100 ppm/C", Tolerance_%=1%, Value2=0.1W, Value_Code=100R, ValueDisplayed=0, AEC Category=Q200, AEC Grade=0, AEC Qualified=Y, ComponentLink1Description="Datasheet link", ComponentLink1URL=http://www.vishay.com/docs/20035/dcrcwe3.pdf, CompType=Resistor, EIA_Code=E96, MountType=SMT, PackageReference=0603, Res_ohm=100, RoHS=E, SizeArea_mm2=1.28, SizeX_mm=1.6, SizeY_mm=0.8, SizeZ_mm=1, Supplier 1=Digi-Key, Supplier 2=Newark, Supplier 3=Mouser, Supplier Part Number 2=52K8078, Supplier Part Number 3=71-CRCW0603-100-E3, Technology="Thick Film", Value1=1%, VDC_V=75V
R17 R18 R36A R36B R36C R36D R91 R107 R138 R140 R142: library part CMP-0022109-5, "RES, 1.00 k, 1%, 0.1 W, AEC-Q200 Grade 0, 0603", Manufacturer=Vishay-Dale, PartNumber=CRCW06031K00FKEA, Power_W=100mW, Supplier Part Number 1=541-1.00KHCT-ND, TempCo="100 ppm/C", Tolerance_%=1%, Value2=0.1W, Value_Code=1k00, ValueDisplayed=1.00k, AEC Category=Q200, AEC Grade=0, AEC Qualified=Y, ComponentLink1Description="Datasheet link", ComponentLink1URL=http://www.vishay.com/docs/20035/dcrcwe3.pdf, CompType=Resistor, EIA_Code=E96, MountType=SMT, PackageReference=0603, Res_ohm=1k, RoHS=E, SizeArea_mm2=1.28, SizeX_mm=1.6, SizeY_mm=0.8, SizeZ_mm=1, Supplier 1=Digi-Key, Supplier 2=Newark, Supplier 3=Mouser, Supplier Part Number 2=52K8015, Supplier Part Number 3=71-CRCW0603-1.0K-E3, Technology="Thick Film", Value1=1%, VDC_V=75V
R20 R68 R72 R73: library part CMP-0021991-4, "RES, 100, 1%, 0.1 W, AEC-Q200 Grade 0, 0603", Manufacturer=Vishay-Dale, PartNumber=CRCW0603100RFKEA, Power_W=100mW, Supplier Part Number 1=541-100HCT-ND, TempCo="100 ppm/C", Tolerance_%=1%, Value2=0.1W, Value_Code=100R, ValueDisplayed=50, AEC Category=Q200, AEC Grade=0, AEC Qualified=Y, ComponentLink1Description="Datasheet link", ComponentLink1URL=http://www.vishay.com/docs/20035/dcrcwe3.pdf, CompType=Resistor, EIA_Code=E96, MountType=SMT, PackageReference=0603, Res_ohm=100, RoHS=E, SizeArea_mm2=1.28, SizeX_mm=1.6, SizeY_mm=0.8, SizeZ_mm=1, Supplier 1=Digi-Key, Supplier 2=Newark, Supplier 3=Mouser, Supplier Part Number 2=52K8078, Supplier Part Number 3=71-CRCW0603-100-E3, Technology="Thick Film", Value1=1%, VDC_V=75V
R23: "RES, 62.0 k, 1%, 0.1 W, 0603", Manufacturer="Yageo America", Power_W=0.1, Supplier Part Number 1=311-62.0KHRCT-ND, TempCo="200 ppm/C", Tolerance_%=1, Value1=1%, Value2=0.1W, Value_Code=62k0, ValueDisplayed=62.0k, AEC Category=Q200, AEC Qualified=?, ComponentLink1Description="Datasheet link", ComponentLink1URL=http://www.yageo.com/pdf/Pu-RC0603_51_PbFree_L_2.pdf, CompType=Resistor, LatestRevisionDate=2016-09-18, MountType=SMT, PackageReference=0603, PartNumber=RC0603FR-0762KL, Published=2008-06-26, Publisher="Texas Instruments", Res_ohm=62000, RoHS=Y, SizeArea_mm2=1.28, SizeX_mm=1.6, SizeY_mm=0.8, SizeZ_mm=1, Supplier 1=Digi-Key, Supplier 2=Mouser, Supplier Part Number 2=603-RC0603FR-0762KL, SymbolVersion=2009-05-29, Technology="Thick Film", U/M=EA, VDC_V=150
R24A R24B R24C R24D: "RES, 499, 1%, 0.1 W, 0603", Manufacturer="Yageo America", Power_W=0.1, Supplier Part Number 1=311-499HRCT-ND, TempCo="200 ppm/C", Tolerance_%=1, Value1=1%, Value2=0.1W, Value_Code=499R, ValueDisplayed=499, AEC Category=Q200, AEC Qualified=?, ComponentLink1Description="Datasheet link", ComponentLink1URL=http://www.yageo.com/pdf/Pu-RC0603_51_PbFree_L_2.pdf, CompType=Resistor, EIA_Code=E96, Green_EU RoHS="Passed with Exemption", Green_EU RoHS-2=Passed, Green_Lifecycle=Active, Green_REACh=Passed, LatestRevisionDate=2017-05-31, MountType=SMT, PackageReference=0603, PartNumber=RC0603FR-07499RL, Published=2008-06-26, Publisher="Texas Instruments", Res_ohm=499, RoHS=Y, SizeArea_mm2=1.28, SizeX_mm=1.6, SizeY_mm=0.8, SizeZ_mm=1, Supplier 1=Digi-Key, Supplier 2=Mouser, Supplier 3=Farnell, Supplier Part Number 2=603-RC0603FR-07499RL, Supplier Part Number 3=1799347, SymbolVersion=2009-05-29, Technology="Thick Film", U/M=EA, VDC_V=150